# KiCad board 32X_VA2.kicad_pcb (continued)
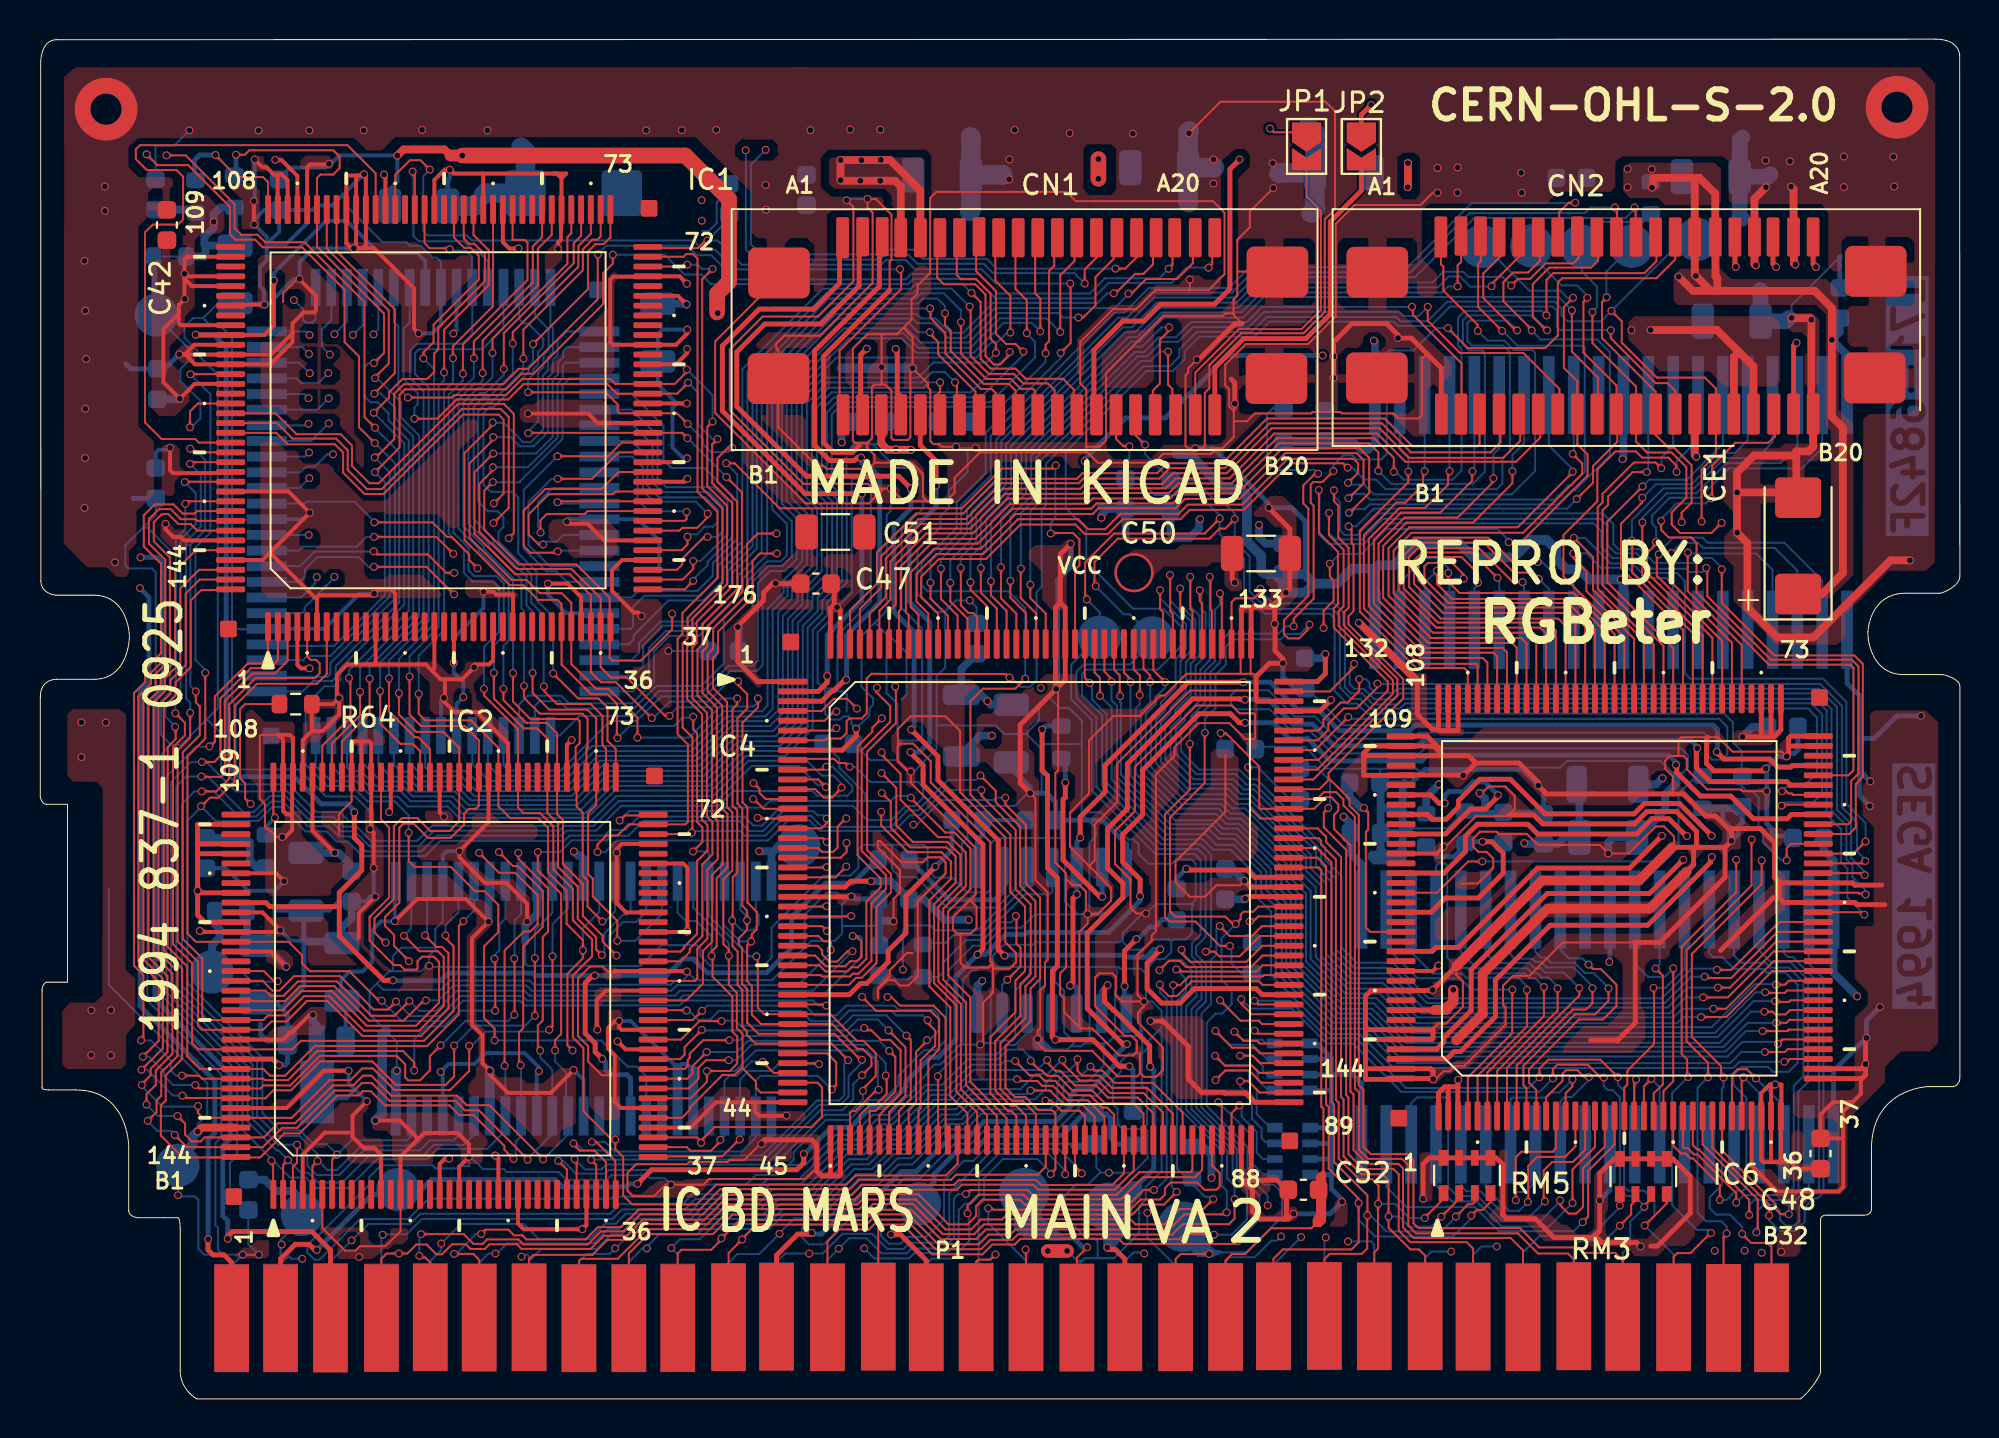
[diagram p0: board, top side]
## Copper pours and planes (outline as drawn; the poured copper is in the pictures) (continued)
GND on Bottom: 31.15,51.96 30.91,51.68 30.91,51.41 32.17,50.1 32.17,48.18 32.41,47.92 33.21,47.92 33.36,48.06 33.36,48.24 33.03,48.61 32.9,48.61 32.6,48.91 32.6,50.16 32.88,50.42 33.11,50.42 33.36,50.67 33.36,51.16 33.13,51.4 32.88,51.4 32.4,51.89 32.18,51.89 32.07,51.99 32.06,52.55 31.15,52.55
GND on Bottom: 7.99,53.62 8.12,53.62 8.4,53.38 9.11,52.71 9.15,52.67 9.18,52.37 9.18,52.02 9.02,52.02 7.99,53.04
GND on Bottom: 16.42,29.57 16.66,29.8 16.66,30.23 16.72,30.26 17.28,30.26 17.4,30.16 17.4,29.82 17.72,29.5 18.12,29.5 18.4,29.3 18.4,29.07 18.2,28.85 17.08,28.85 16.42,29.43
GND on Bottom: 87.31,29.92 87.31,29.59 87.19,29.4 87.19,29.12 87.04,28.93 87.04,28.33 86.93,28.21 86.25,28.21 86.13,28.34 86.13,29.1 85.86,29.37 85.86,32.39 85.59,32.64 84.53,32.64 84.28,32.41 84.27,32.41 84.27,32.75 83.75,33.25 83.93,33.25 84.44,32.75 84.93,32.75 85.25,33.06 85.52,32.72 86.02,32.72 86.27,32.98 86.27,29.75 86.56,29.44 86.63,29.44 86.84,29.64 86.84,29.92
GND on Bottom: 14.73,43.92 16.08,43.92 16.55,44.34 16.55,44.9 15.96,45.48 13.78,45.48 13.37,45.15 12.65,45.15 12.65,44.76 13.75,44.76 13.9,44.61 14.11,44.61 14.38,44.4 14.38,44.17
GND on Bottom: 37.28,21.4 38.79,22.94 38.79,24.45 39.79,25.42 39.79,24.93 40.07,24.69 40.57,24.69 40.57,24.49 40.08,24.49 39.79,24.24 39.79,23.77 40.2,23.42 40.2,23.39 39.8,22.97 39.8,22.58 38.67,21.4
GND on Bottom: 54.06,44.49 54.06,43.55 54.27,43.32 54.65,43.32 55.01,43.71 57.02,43.71 57.32,43.46 57.32,42.94 57.6,42.69 60.09,42.69 60.37,42.47 60.37,41.96 60.6,41.66 60.63,41.66 60.63,42.23 60.83,42.42 61.09,42.42 61.21,42.51 61.21,42.87 59.76,44.21 59.76,45.14 59.52,45.38 58.83,45.38 58.73,45.24 58.73,44.87 58.36,44.44 58.1,44.44 57.99,44.56 57.68,44.56 57.54,44.42 54.17,44.42 54.1,44.49
GND on Bottom: 29.06,9.77 29.61,10.31 32.75,10.31 33.26,10.8 36.28,10.8 36.99,11.46 31.04,11.46 31.22,11.32 31.22,10.77 31,10.5 26.56,10.5 26.22,10.84 20.5,10.84 19.44,9.76
GND on Bottom: 33.63,18.37 32.16,19.82 26.84,19.82 26.71,19.71 26.71,19.37 26.95,19.13 26.95,18.85 27.18,18.63 27.88,18.63 28.09,18.82 28.09,19.04 28.37,19.38 29,19.38 29.46,18.87 29.93,18.87 30.26,18.6 30.25,17.59 30.61,17.22 31.04,17.22 31.61,16.6 32.32,16.6 32.42,16.52 32.88,16.52 33.01,16.6 33.11,16.6 33.22,16.51 33.63,16.51
GND on Bottom: 21.62,35.73 21.96,35.73 22.19,35.93 22.19,36.62 21.66,37.2 21.66,37.77 23.17,39.33 23.18,41.15 22.88,41.47 22.03,41.47 21.87,41.32 21.87,41.05 21.62,40.78 21.54,40.7 21.25,40.7 21.06,40.51 21.06,39.17 19.83,37.94 19.83,36.99 20.23,36.58 21.16,36.58 21.32,36.38 21.32,36
GND on Bottom: 33.81,38.45 33.32,38.45 33.28,38.49 33.28,38.61 33.17,38.72 32.36,38.72 31.73,38.13 31.73,36.99 31.94,36.78 33.66,36.78 34.29,37.37 34.29,37.91 33.86,37.91 33.86,37.59 33.49,37.19 33.34,37.19 33.29,37.23 33.29,37.94 33.35,37.99 33.81,37.99
GND on Bottom: 43.92,16.39 45.4,17.82 45.17,17.82 44.95,18.03 44.17,18.03 43.92,17.79
GND on Bottom: 62.46,39.86 61.34,40.96 61.34,41.16 61.11,41.36 60.89,41.36 60.89,40.61 60.39,40.11 60.39,39.62 60.64,39.38 63.22,39.38 63.41,39.52 63.41,39.69 63.29,39.86
GND on Bottom: 46.26,10.71 47.89,12.31 47.1,12.31 46.25,11.46 46.25,10.71
GND on Bottom: 4.64,42.26 4.64,43.27 4.82,43.48 6.47,43.48 6.66,43.28 6.7,43.28 6.7,44 6.43,44.25 6.21,44.25 5.94,44.51 5.94,44.98 6.16,45.22 6.16,45.59 5.74,45.59 5.74,45.37 5.5,45.15 5.49,44.94 5.11,44.94 4.91,45.16 4.91,45.66 5.63,45.66 5.63,46.08 5,46.08 4.9,46.19 4.9,51.01 1.13,51.01 1.14,44.08 1.89,43.33 2.88,43.33 4.06,42.16 4.14,42.09 4.43,42.09
GND on Bottom: 1.13,51.01 1.13,64.11 4.9,64.12 4.9,62.58 5.5,62.58 5.5,62.19 4.91,62.19 4.86,62.1 4.87,56.47 4.61,56.21 4.61,54.68 4.85,54.42 4.85,53.09 4.97,52.98 5.6,52.98 5.6,52.59 4.92,52.58 4.87,52.53 4.9,51.01
GND on Bottom: 90.14,33.95 90.14,33.45 90.29,33.45 90.41,33.37 90.41,33.15 89.85,32.52 89.37,32.52 88.54,31.73 88.54,29.39 88.7,29.25 88.7,29.06 88.82,28.96 89.31,28.96 89.31,28.47 88.68,28.47 88.38,28.7 88.38,29.16 88.15,29.38 88.16,30.96 87.95,31.14 87.95,33.31 88.11,33.4 89.68,33.4 89.8,33.51 89.8,33.95
GND on Bottom: 1.66,35.34 4.36,35.34 4.66,35.09 4.7,20.04 4.7,19.96 5.86,18.86 5.85,18.8 5.14,18.8 4.76,18.4 4.73,18.37 4.73,17.25 4.26,16.79 1.52,16.79 1.26,17.02 1.26,19.85 1.64,20.23 2.95,20.23 3.27,20.51 3.29,31.18 2.84,31.62 1.72,31.62 1.5,31.84 1.5,35.2
GND on Bottom: 31.83,53.55 31.83,54.35 31.94,54.46 32.77,54.46 32.77,54.32 32.87,54.23 33.39,54.23 33.67,53.97 33.67,52.6 34.71,51.6 34.71,50.45 34.96,50.21 34.96,49.67 35.18,49.44 35.41,49.44 35.64,49.67 35.64,52.87 39.28,56.54 39.28,56.58 39.18,56.69 36.64,56.69 34.34,56.7 34.34,55.98 34.92,55.98 35.18,55.75 35.18,55.21 34.94,54.94 34.38,54.94 34.13,55.2 34.13,55.73 34.34,55.95 34.34,56.7 34.02,56.7 33.72,56.95 33.72,57.07 33.62,57.19 32.86,57.19 31.88,58.18 30.5,58.18 30.37,58.06 30.37,57.16 30.52,57.02 32.37,57.02 32.77,56.63 33.53,56.63 33.67,56.5 33.67,55.44 33.44,55.18 33.05,55.18 32.77,54.91 31.82,54.91 31.41,54.54 31.41,53.55
GND on Bottom: 55.45,26.27 55.45,25.87 54.77,25.2 53.96,25.2 53.68,25.47 53.38,25.19 52.84,25.19 52.43,25.62 52.3,25.47 50.86,25.47 50.6,25.23 50.6,24.45 50.34,24.21 52.78,24.21 52.87,24.27 54.55,24.27 55.66,25.44 55.66,26.27
GND on Bottom: 80.11,11.11 80.11,10.81 79.94,10.6 79.4,10.6 79.12,10.39 79.11,9.93 79.29,9.75 80.07,9.75 80.47,10.33 80.47,11.11
GND on Bottom: 44.4,8.28 44.78,8.61 45.58,8.61 46.26,9.29 46.26,8.53 46.04,8.28
GND on Bottom: 41.87,28.09 41.87,28.53 42.15,28.78 44.36,28.78 44.63,28.53 45.25,28.53 45.41,28.38 45.41,28.14 45.19,28.33 42.2,28.33
GND on Bottom: 82.74,30.75 83.29,31.28 83.46,31.28 83.46,29.84 83.32,29.63 82.74,29.63
GND on Bottom: 53.69,12.66 53.69,11.98 54,11.66 54,11.35 55.83,11.35 56.65,12.09 56.65,12.37 56.63,12.37 56.29,12.03 55.18,12.03 54.91,12.28 54.51,12.28 54.41,12.16 54.17,12.16 54.08,12.28 54.08,12.66
GND on Bottom: 53.09,8.68 53.09,9.02 52.84,9.26 52.84,10.54 53.28,10.95 53.28,10.96 52.32,10.96 52.17,10.79 52.17,9.2 52.79,8.68
GND on Bottom: 17.34,17.02 16.79,17.54 16.8,21.04 16.92,21.17 17.01,21.17 17.8,21.96 17.8,22.61 18.28,23.1 20.03,23.1 20.23,23.35 20.52,23.1 20.9,23.1 21.79,23.98 22.85,23.98 23.09,23.79 23.09,23.54 22.74,23.18 22.74,22.4 23.09,22.13 20.78,22.13 20.5,21.82 18.66,21.82 18.66,21.87 19.26,21.87 19.52,22.12 19.52,22.64 19.26,22.9 18.75,22.9 18.49,22.65 18.49,22.1 18.72,21.88 18.72,21.82 17.98,21.82 17.76,21.58 17.76,21.15 18.05,20.92 18.05,20.91 17.31,20.91 16.96,20.6 16.96,20.08 17.51,19.55 17.88,19.55 18.37,19.03 18.54,19.03 18.75,18.78 18.75,16.88 18.46,16.48 17.98,16.48 17.92,16.57 17.83,16.57 17.76,16.47 17.34,16.47
GND on Bottom: 1.12,68.06 1.12,64.1 10.26,64.1 10.82,63.64 10.82,59.97 11.35,59.42 11.34,58.39 11.34,58.1 11.08,57.79 11.08,56.93 11.19,56.81 11.19,56.21 11.11,56.09 10.83,56.09 10.83,55.75 11.06,55.75 11.19,55.65 11.19,55.14 11.31,55.02 12.75,55.02 12.93,55.2 12.93,55.39 12.46,55.87 12.46,56.48 12.77,56.77 13.25,56.77 13.47,57.04 13.47,58.18 13.81,58.49 16.13,58.49 16.28,58.63 16.28,58.99 15.56,59.73 14.85,59.73 12.64,57.57 12.64,57.02 12.24,56.62 11.73,56.62 11.42,56.94 11.42,57.77 12.16,58.42 12.32,58.42 14.5,60.6 15.92,60.6 17.55,58.93 19.03,58.93 18.79,59.17 18.79,59.43 18.55,59.64 17.2,59.64 16.74,60.13 16.74,61.99 16.99,62.2 16.99,62.55 16.79,62.75 15.79,62.75 15.05,62.02 13.44,62.02 13.27,61.85 13.27,60.83 12.66,60.83 12.66,60.43 13.2,60.43 13.2,60.06 12.82,59.67 12.76,59.61 12.48,59.61 12.44,59.67 12.44,60.38 12.06,60.38 12.06,59.73 11.98,59.66 11.84,59.66 11.25,60.25 11.25,60.39 11.91,60.39 11.91,60.88 11.18,60.88 11.18,63.62 11.41,63.82 14.47,63.82 15.1,64.42 20.85,64.42 21.17,64.17 22.09,64.17 22.23,64.04 22.23,63.28 21.97,63.01 20.69,63.01 20.46,62.78 20.46,62.44 20.59,62.3 20.67,62.3 20.67,61.82 21.06,61.82 21.06,62.31 21.69,62.31 21.96,62.06 23.17,62.06 23.17,62.87 23.62,63.35 35.5,63.35 35.53,68.05
GND on Bottom: 53.17,34.74 53.17,31.99 53.2,31.94 53.2,31.54 52.83,31.09 52.02,31.09 51.72,31.37 51.72,31.87 51.47,32.12 51.47,33.22 51.72,33.44 51.72,33.47 51.45,33.68 51.03,33.68 50.78,33.95 50.78,34.35 50.41,33.99 50.41,33.82 51.04,33.21 51.04,32.62 50.99,32.56 50.43,32.56 50.43,32.18 50.97,32.18 51.04,32.09 51.04,31.9 50.76,31.58 50.62,31.58 50.22,32.08 49.62,32.08 50.18,31.48 50.18,31.38 50.05,31.25 50.05,30.49 50.06,30.48 51.02,30.48 51.26,30.29 51.58,30.29 51.69,30.18 51.69,29.92 52.29,29.92 52.29,30.28 52.81,30.28 53.08,30.04 53.08,29.88 53.04,29.84 52.25,29.84 52.24,29.41 53.61,29.41 53.85,29.18 53.85,28.62 53.87,28.6 54.77,28.6 54.96,28.44 55.52,28.44 55.79,28.59 55.79,28.59 55.57,28.8 53.52,30.88 53.52,34.42 53.21,34.74
GND on Bottom: 44.9,41.38 45.23,41.04 49.43,41.04 49.88,40.58 49.88,37.83 49.72,37.59 49.2,37.59 49,37.78 49,39.37 48.91,39.48 48.26,39.48 48.26,39.9 48.91,39.9 48.99,39.99 48.99,40.08 48.48,40.61 48.19,40.61 48.12,40.56 48.12,39.98 47.71,39.98 47.71,40.55 47.63,40.62 47.14,40.62 46.83,40.27 46.83,39.93 46.91,39.88 47.56,39.88 47.56,39.47 46.92,39.47 46.84,39.42 46.84,37.79 45.89,36.85 45.87,36.85 45.87,39.95 44.89,40.95 44.89,41.38
GND on Bottom: 77.55,63.53 78.23,63.53 78.81,64.06 87.72,64.06 88.05,63.81 88.05,61.06 87.76,60.82 86.5,60.82 86.37,60.69 86.37,58.75 86.58,58.55 86.98,58.55 87.31,58.3 87.31,57.67 87.09,57.39 86.33,57.39 86.06,57.17 86.06,56.78 86.3,56.54 88.75,56.54 89.06,56.3 89.06,54.76 90.46,54.76 90.73,55 90.73,55.74 91.05,56.04 91.05,57.38 90.55,57.38 90.25,57.63 90.25,58.22 90.53,58.5 91.03,58.5 91.35,58.22 91.35,57.72 92.64,57.72 93.12,57.19 93.12,48.72 92.78,48.42 92.35,48.42 91.11,47.03 86.64,47.03 86.14,46.55 86.14,45.98 86.63,45.5 86.62,44.26 86.81,44.1 89.65,44.1 91.55,42.22 92.94,42.22 93.32,42.61 96.4,42.61 96.85,43.02 96.83,64.52 96.83,67.44 96.28,68.06 89.41,68.05 89.41,58.92 89.3,58.92 89.3,57.62 88.99,57.36 88.51,57.37 88.23,57.63 88.23,58.24 88.48,58.47 89.03,58.47 89.4,58.16 90.96,64.61 91.18,68.06 77.59,68.06
GND on Bottom: 9.09,44.25 8.46,43.55 8.32,43.4 8.32,38.23 9.16,37.45 9.16,44.18
GND on Bottom: 6.87,10.97 6.87,10.56 6.34,10.56 6.19,10.51 6.12,10.39 6.12,10.31 6.18,10.23 6.34,10.18 8.08,10.18 8.21,10.23 8.24,10.31 8.24,10.4 8.13,10.48 7.39,10.48 7.32,10.59 7.32,10.97
GND on Bottom: 63.5,68.06 71.11,68.06 71.11,64.33 63.5,64.33
GND on Bottom: 51.47,35.02 51.64,35.18 52.77,35.18 52.76,35.2 52.47,35.47 52.47,37.82 52.71,38.07 52.71,40.14 52.95,40.38 52.95,41.38 53.19,41.63 53.19,44.12 52.95,44.34 52.51,44.34 52.03,43.83 51.75,43.83 51.54,43.63 51.54,41.12 51.43,40.98 51.43,36.71 51,36.32 51,34.56
GND on In1.Cu: 92.07,10.35 92.52,10.81 92.52,14.2 94.44,16.14 94.44,16.93 95.2,17.66 96.68,17.66 97.17,18.2 97.17,34.62 96.46,35.29 93.78,35.29 93.26,36.16 93.26,37.58 92.79,38.05 92.79,40.42 94.57,42.23 96.49,42.23 96.99,42.72 96.99,52.69 96.98,58.28 96.97,66.45 96.97,67.62 96.44,68.16 1.7,68.16 1.02,67.61 1.02,43.82 2.41,42.41 3.41,42.41 3.92,41.91 4.47,41.91 4.71,41.58 4.71,40.89 5.43,40.06 5.43,37.55 5.13,37.24 5.13,36.59 3.82,35.44 1.65,35.44 1.34,35.17 1.34,31.81 1.7,31.45 1.88,31.45 2.89,31.44 3.15,31.15 3.15,20.67 2.82,20.36 1.54,20.36 1.08,19.82 1.08,17.06 1.49,16.69 4.29,16.69 4.87,16.27 4.87,15.68 5.1,15.46 5.1,14.23 5.92,13.4 5.92,10.65 6.5,10.08 7.72,10.08 8.09,9.72 8.09,1.36 90.12,1.36 90.12,8.87 90.3,9.05 90.3,9.69 90.86,10.2 91,10.2 91.15,10.35
VCC on Top (solid shape): 71.1,19.92 71.28,20.09 71.76,20.09 72.06,20.37 72.06,20.96 72.16,21.09 72.39,21.09 72.49,20.97 72.49,20.2 71.99,19.68 71.22,19.68 71.1,19.8
VCC on Top: 7.38,47.47 7.19,47.65 7.19,48.53 6.96,48.79 6.4,48.79 6.27,48.66 6.27,46.43 6.51,46.16 6.8,46.16 6.93,46.27 6.93,46.88 7.22,47.15 7.58,47.32
VCC on Top: 39.49,43.55 39.49,43.21 39.77,42.97 39.77,42.64 39.69,42.53 39.13,42.53 39.06,42.44 39.06,40.93 39.13,40.86 39.36,40.86 39.5,40.78 39.5,40.44 39.39,40.34 36.9,40.34 36.67,40.15 36.67,37.05 37,36.76 37,36.59 36.84,36.36 36.7,36.36 35.93,37.14 35.18,37.14 34.97,37.37 34.97,39.11 36.77,40.88 36.77,42.25 37.12,42.61 37.96,42.61 37.96,41.88 38.59,41.88 38.59,41.44 37.98,41.44 37.92,41.38 37.92,41.13 38.2,40.87 38.6,40.87 38.65,40.92 38.65,41.37 38.66,42.4 38.58,42.48 38.25,42.48 37.92,42.18 37.92,42.61 38.76,43.4 38.76,43.54
VCC on Top: 60.58,42.84 60.58,41.62 60.87,41.28 61.36,41.28 61.48,41.39 61.48,41.78 61.29,42.01 61.29,42.81
VCC on Top: 58.37,43.67 58.08,43.42 55.9,43.42 55.41,42.88 55.59,42.9 55.58,41.46 56.34,41.44 57.49,42.54 59.7,42.54 59.98,42.75 60.6,42.75 60.6,43.67
VCC on Top: 91.28,41.76 91.58,42.05 91.58,49.44 91.33,49.7 91.33,55.44 90.8,55.91 83.75,55.91 83.54,56.14 83.54,57.44 83.87,57.76 84.39,57.76 84.48,57.84 84.78,57.84 84.87,57.76 85.42,57.76 85.51,57.84 85.85,57.84 86.48,57.24 91.33,57.24 91.96,56.65 91.96,50.56 92.73,49.87 92.73,42.11 91.51,40.92 90.97,40.92 90.97,41.76
VCC on Top: 33.05,13.89 33.05,14.1 34.91,15.94 36.14,15.94 36.37,15.75 36.37,15.47 36.53,15.31 36.8,15.31 36.9,15.21 36.9,14.78 36.99,14.7 39.07,14.7 39.17,14.59 39.17,14.35 39.06,14.21 34.29,14.21 34.01,13.91 33.75,13.91 33.6,13.76 33.12,13.76 33.1,13.77
VCC on Top: 11.49,18.43 12.04,19.02 12.78,19.02 13.85,20.03 14.58,20.03 14.68,19.93 14.67,18.93 14.38,18.6 13.18,18.6 12.75,18.16 11.62,18.16 11.49,18.27
VCC on Top: 90.72,12 90.39,12 90.23,12.16 90.23,13.49 89.99,13.71 89.77,13.71 89.56,13.52 89.56,12.48 89.33,12.29 88.08,12.29 88.08,12.17 88.23,12.05 88.67,12.05 89.61,11.11 90.02,11.11 90.25,11.33 90.25,11.53 90.34,11.6 90.7,11.6
VCC on Top: 13.54,12.6 13.55,13.29 15.44,15.15 16.38,15.15 16.61,15.36 16.82,15.36 16.82,14.82 16.56,14.58 16.56,13.49 16.74,13.32 17.41,13.32 17.59,13.15 17.59,12.15 17.45,12.04 15.98,12.04 15.73,12.24 15.73,12.72 15.37,13.04 14.79,13.04 14.56,12.83 13.82,12.83 13.59,12.6
VCC on Top: 29.74,20.9 29.54,21.04 28.65,21.04 28.38,20.82 28.38,18.79 28.46,18.67 28.57,18.67 28.7,18.79 28.7,18.92 28.65,18.99 28.65,20.06 28.9,20.29 29.54,20.29 29.76,20.42 29.76,20.83
VCC on Top: 70.23,37.1 70.82,37.1 70.94,37 70.94,34.56 71.25,34.27 72.74,34.27 72.84,34.15 72.84,34.01 72.75,33.9 71.59,33.9 71.34,34.12 71.19,34.12 71.02,34.28 70.31,34.28 70.1,34.47 70.11,36.95
VCC on Top: 7.96,55.85 7.96,59.23 8.27,59.55 9.23,59.55 9.47,59.81 9.47,60.6 8.58,61.54 7.99,61.54 7.73,61.29 7.73,60.16 7.34,59.77 7.34,58.64 6.95,58.24 6.71,58.24 6.71,58.93 6.25,58.93 6.25,58.24 6,58.24 5.75,57.97 5.74,50.66 6.12,50.24 6.95,50.24 7.69,50.98 7.69,51.55 7.18,52.03 7.18,52.49 6.67,53.04 6.67,53.8 7.45,54.6 7.45,55.31
VCC on Top: 40.37,63.33 40.53,63.46 45.07,63.46 45.21,63.35 45.21,60.97 45.1,60.87 43.69,60.87 43.57,61.01 43.57,61.48 43.23,61.85 40.63,61.85 40.37,62.09
VCC on Top: 13.6,62.83 13.42,62.89 13.35,62.94 13.35,63.29 13.61,63.55 14.77,63.55 15.04,63.32 15.04,63.02 14.9,62.86 13.78,62.86 13.66,62.83
VCC on Top: 89.09,34.18 86.82,34.18 86.57,33.98 86.56,33.49 86.65,33.4 88.48,33.4 89.09,34.01
VCC on Top: 29.23,50.58 28.78,51.08 25.54,51.08 25.28,50.83 24.83,50.83 24.56,50.58 24.56,50.12 24.79,49.89 25.48,49.89 25.76,49.64 29,49.64 29.23,49.74
VCC on Top: 7.7,44.19 7.47,44.43 6.96,44.43 6.72,44.69 6.72,44.7 6.58,44.85 6.34,44.85 6.21,44.69 6.21,44.04 7.12,43.14 7.3,43.14 7.7,43.64
VCC on Top: 13.81,29.75 13.81,28.93 14.97,27.74 15.25,27.74 15.31,27.83 15.31,28.01 15.18,28.1 14.06,29.28 14.06,29.77 13.95,29.9
VCC on Top: 11.42,22.94 12.56,22.94 12.98,22.58 12.98,22.17 12.76,21.93 12.22,21.93 11.84,22.27 11.71,22.27 11.6,22.39 11.6,22.69 11.42,22.83
VCC on Top: 14.3,35.77 15.08,35.77 15.1,36.29 15.33,36.29 15.33,36.18 15.58,35.92 15.58,34.95 14.22,33.54 13.78,33.54 13.47,33.2 13.47,34.62 13.48,34.63 14.69,34.63 15.11,35.03 15.11,35.29 14.29,35.29 14.19,35.07 14.19,34.61 13.72,34.61 13.72,35.76
VCC on Top: 62.14,15.31 62.14,15.43 61.82,15.82 59.69,15.82 59.56,15.93 59.56,19.29 59.27,19.56 56.76,19.56 56.6,19.44 56.6,19.23 57.84,18.04 57.84,15.71 58.24,15.33 59.29,15.33 59.48,15.47 61.6,15.47 62,15.09 62.27,15.09 62.27,15.2
VCC on Top: 21.88,37.68 21.75,37.58 21.75,37.33 21.48,37.05 20.92,37.05 20.29,37.69 15.76,37.69 15.76,37.36 19.15,37.36 19.96,36.61 19.96,35.21 20.22,34.96 22.15,34.96 22.15,35.27 21.34,35.27 21.18,35.42 21.18,36.05 21.4,36.31 21.99,36.31 22.01,36.29 22.01,36.14 22.12,36.03 22.12,35.31 22.05,35.25 22.05,35.12 23.94,33.29 24,33.29 24,34.13 22.33,35.79 22.33,36.11 22.21,36.22 22.21,36.59 22.72,37.1 22.72,37.48 23.06,37.48 23.06,37.68
VCC on Top: 11.71,14.86 12.13,15.31 12.85,15.31 14.5,16.91 15.73,16.91 15.91,16.83 15.91,16.73 15.82,16.65 14.67,16.65 14.54,16.53 13.16,15.16 12.85,14.86
VCC on Top: 85.64,63.18 85.96,62.86 85.96,61.16 85.77,61.02 83.11,61.02 82.74,61.38 81.3,61.38 80.96,61.75 80.96,62.91 81.29,63.18
VCC on Top: 31.58,40.88 31.83,40.64 31.83,39.38 30.6,38.14 29.88,38.14 29.73,38.28 29.74,40.88
VCC on Bottom: 39.62,60.64 40.11,60.64 40.65,61.16 40.65,61.88 43.56,61.89 43.69,61.99 44.29,62 44.24,63.3 43.77,63.29 43.48,63.55 40.46,63.55 40.23,63.32 40.23,61.39 39.98,61.13 39.62,61.13
VCC on Bottom: 83.43,57.59 83.71,57.85 84.89,57.85 85.13,57.6 85.13,57.23 84.91,57.01 83.68,57.01 83.43,57.27
VCC on Bottom: 80.04,62.67 80.11,62.73 80.11,63.19 80.37,63.44 82.6,63.44 82.85,63.2 82.85,62.98 82.89,62.94 83.53,62.94 83.53,61.97 82.87,61.96 82.87,61.69 82.63,61.44 80.38,61.44 80.12,61.64 80.12,62.16 80.08,62.2 79.47,62.2 79.47,62.67
VCC on Bottom: 32.54,62.5 33.71,61.41 34.08,61.41 34.29,61.21 34.29,60.27 34.12,60.09 33.28,60.09 32.89,60.49 30.57,60.49 30.58,62.5
VCC on Bottom: 70.2,63.38 70.42,63.16 70.42,61.9 70.18,61.65 69.48,61.65 69.23,61.91 68.63,61.9 68.63,63.38
VCC on Bottom: 55.35,63.09 55.34,62.62 54.72,62.62 54.65,62.54 54.65,62.13 54.42,61.87 53.98,61.87 53.73,62.12 53.73,63.59 53.96,63.82 54.4,63.82 54.64,63.58 54.64,63.15 54.7,63.09
VCC on Bottom: 14.9,16.89 15.26,16.59 15.26,16.3 15.35,16.23 15.58,16.23 15.62,16.29 15.62,16.83 15.77,16.98 16.62,16.98 16.9,16.74 16.9,14.71 16.54,14.37 15.76,14.37 15.48,14.66 15.35,14.66 15.29,14.58 15.29,14.41 14.41,13.54 14.07,13.54 13.15,14.37 13.15,16.57 13.49,16.89
VCC on Bottom: 12.35,62.69 13.08,63.37 14.66,63.37 15.32,63.95 20.49,63.95 20.72,63.76 21.68,63.76 21.78,63.67 21.78,63.47 21.69,63.37 20.5,63.37 20.3,63.6 19,63.6 18.52,63.14 18.52,62.27 18.11,61.79 17.72,61.78 17.72,61.86 18.16,62.35 18.16,63.03 17.97,63.19 15.53,63.19 14.9,62.57 13.21,62.57 13.03,62.7 12.89,62.7 12.64,62.49
VCC on Bottom: 7.36,57.96 7.36,57.65 7.2,57.65 6.98,57.44 6.98,56.55 7.32,56.13 8.32,56.13 8.62,56.41 8.62,58.32 8.38,58.32 8.38,57.94 8.08,57.63 7.87,57.63 7.8,57.7 7.8,57.96
VCC on In2.Cu: 92.07,10.35 92.52,10.81 92.52,14.2 94.44,16.14 94.44,16.93 95.2,17.66 96.68,17.66 97.17,18.2 97.17,34.62 96.46,35.29 93.78,35.29 93.26,36.16 93.26,37.58 92.79,38.05 92.79,40.42 94.57,42.23 96.49,42.23 96.99,42.72 96.99,52.69 96.98,58.28 96.97,66.45 96.97,67.62 96.44,68.16 1.7,68.16 1.02,67.61 1.02,43.82 2.41,42.41 3.41,42.41 3.92,41.91 4.47,41.91 4.71,41.58 4.71,40.89 5.43,40.06 5.43,37.55 5.13,37.24 5.13,36.59 3.82,35.44 1.65,35.44 1.34,35.17 1.34,31.81 1.7,31.45 1.88,31.45 2.89,31.44 3.15,31.15 3.15,20.67 2.82,20.36 1.54,20.36 1.08,19.82 1.08,17.06 1.49,16.69 4.29,16.69 4.87,16.27 4.87,15.68 5.1,15.46 5.1,14.23 5.92,13.4 5.92,10.65 6.5,10.08 7.72,10.08 8.09,9.72 8.09,1.35 90.13,1.35 90.12,7.49 90.12,8.87 90.3,9.05 90.3,9.69 90.86,10.2 91,10.2 91.15,10.35
VCLK on Bottom (solid shape): 55.38,8.9 55.38,8.31 54.79,7.57 54.54,7.57 54.44,7.67 54.44,8.77
~{AS} on Bottom (solid shape): 51.21,9.91 51.21,9.3 52.47,8.14 51.6,8.14 51.42,8.29 50.36,8.29 49.87,8.73 49.87,9.91
~{CAS2} on Top (solid shape): 65.64,11.59 65.36,11.38 65.36,9.43 65.19,9.15 65.19,8.94 65.25,8.88 65.47,8.88 65.68,9.09 65.68,11.48
~{DTAK} on Bottom (solid shape): 58.77,7.73 59.21,7.3 59.99,7.3 60.44,7.49 60.29,7.56 60.07,7.56 59.37,8.32

Small or netless copper shapes (teardrops, artwork), in the pictures only: 763 on Bottom, 852 on Top, 166 on In1.Cu, 30 on In2.Cu

## Text on the board
Bottom: 171-6842F | SEGA 1994
B.Silkscreen: T1 | T2 | 1 | T5 | 25 | T6 | 65 | 41 | 64 | T3 | T9 | VCLK | AS | T7 | VCC | T8 | DTACK | T13 | T14 | T15 | T16 | T17 | T4
F.Silkscreen: B1 | A1 | P1 | VCC | A20 | B20 | CERN-OHL-S-2.0 | 837-1 | 1994 | 0925 | IC | BD MARS | MADE IN KICAD | MAIN | VA | 2 | REPRO BY: | RGBeter
